# Altium PCB ComplexCurcuit.PcbDoc (part 2 of 2)
Units mm, origin at the board's own origin, x right, y up, seen from the top; angles counter-clockwise.
Board outline 109 x 101.5 mm, 4 copper layers (Top Layer, GND, POWER, Bottom Layer), stack 1.369 mm thick; 127 components, 88 nets, 439 pads, 188 vias.
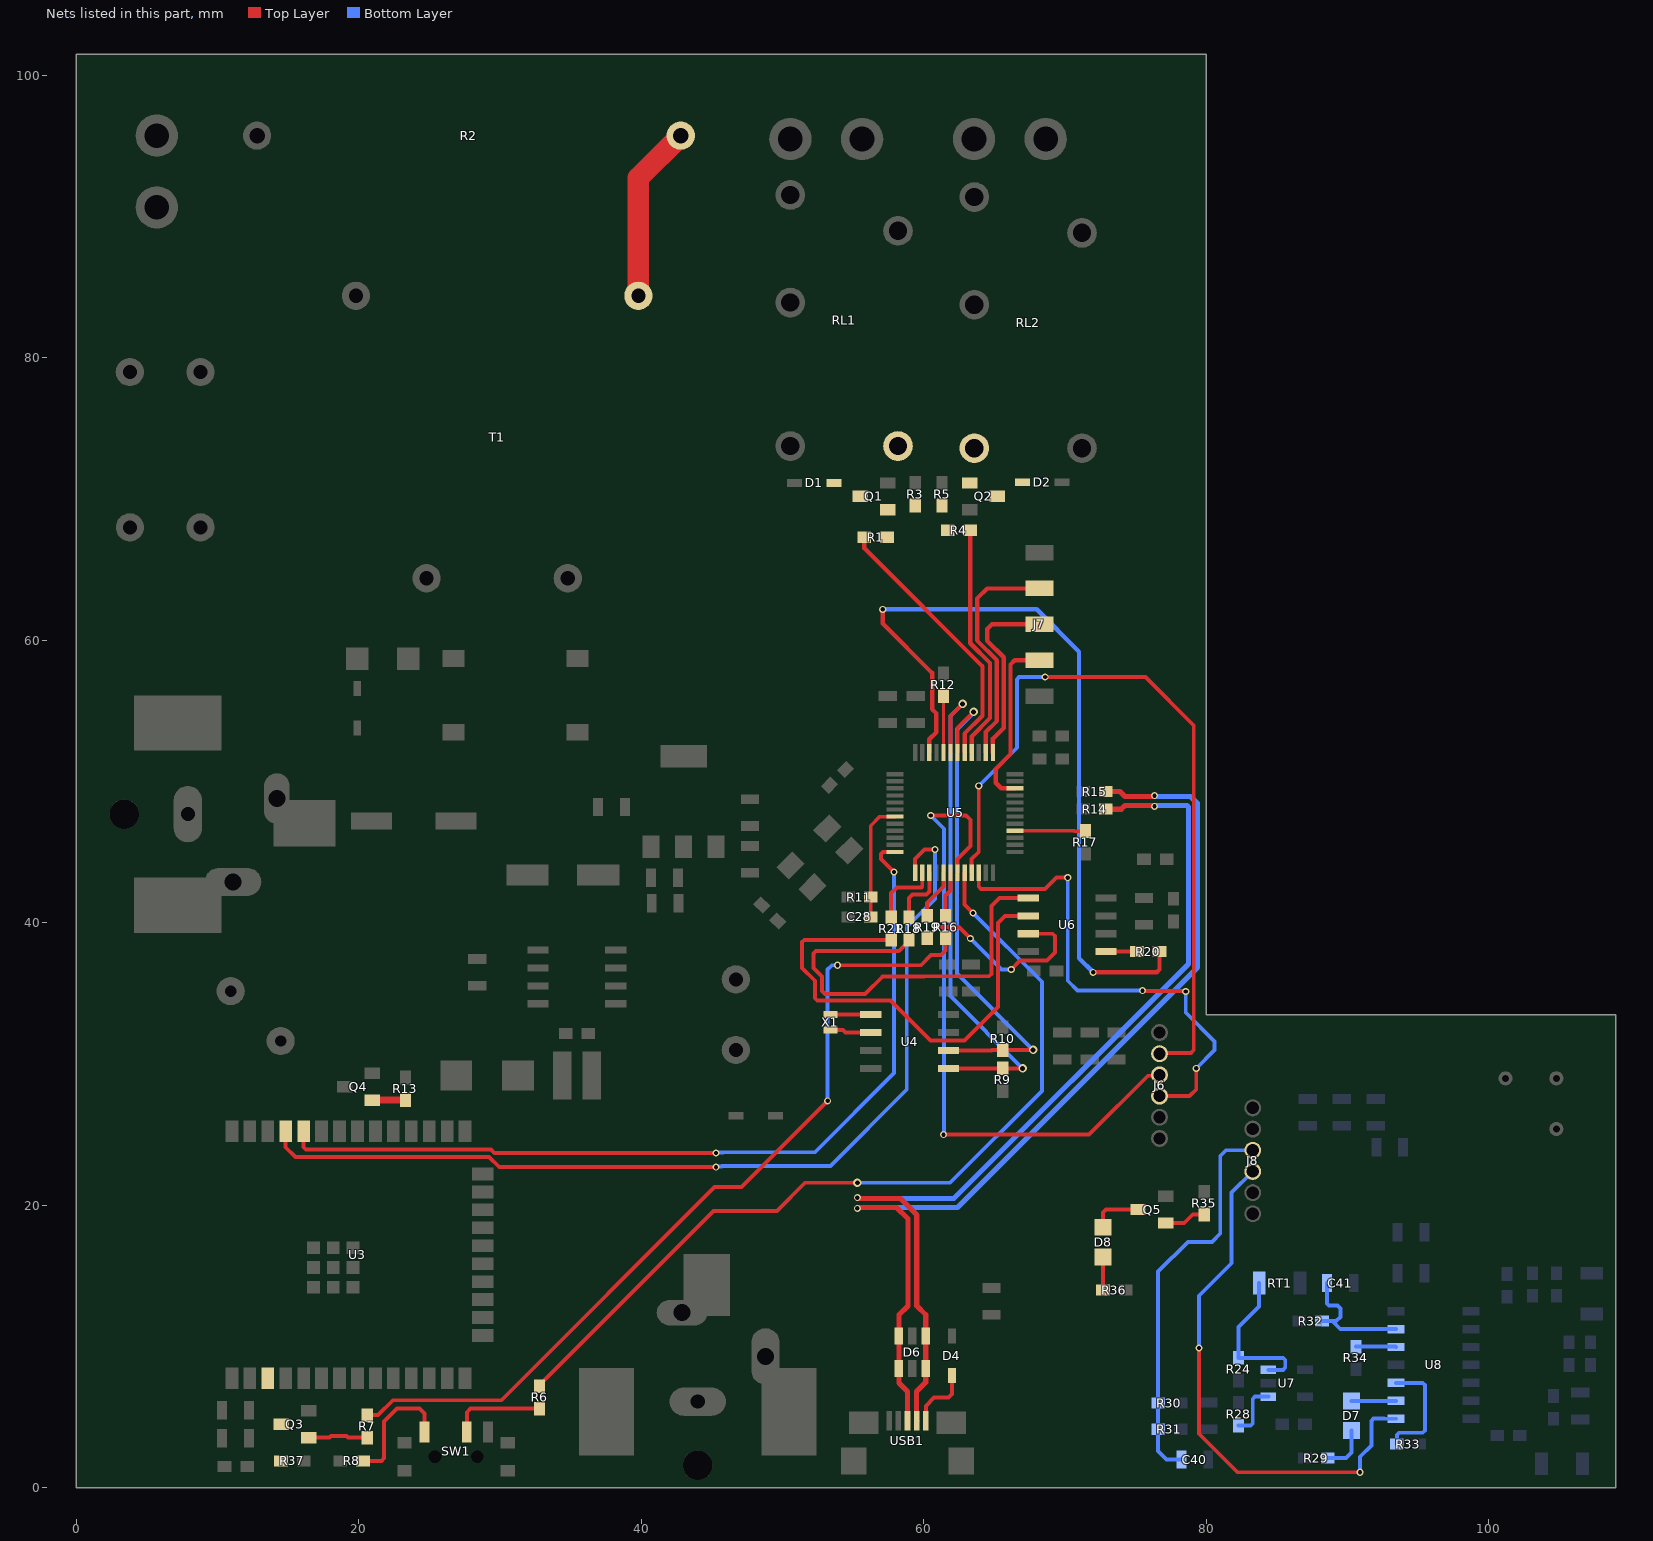
[diagram p4: the nets of this part, all layers, seen from the top]

## Via types
v1: diameter 0.6, hole 0.35, Top Layer to Bottom Layer, tented top, 92 vias
v2: diameter 0.5, hole 0.3, Top Layer to Bottom Layer, tented top, 39 vias
v3: diameter 0.5, hole 0.3, POWER to Bottom Layer, tented top, 28 vias
v4: diameter 0.5, hole 0.3, Top Layer to POWER, tented top, 28 vias
v5: diameter 0.5, hole 0.3, Top Layer to Bottom Layer, tented both sides, 1 vias

## Nets (pads, with @x,y where several pads share a name; then routed paths per layer and width w, separated by ;. In a path a pad name is that pad's centre, name@x,y a point inside that pad or via, vN(x,y) a via of type N, cw(c..) or ccw(c..) an arc to the next point about the centre after c; other vN are vias at no path point) (continued)
NetC41_1: C41.1 R32.2 U8.13 | length 9.3
  Bottom Layer w0.279: R32.2@88.2,11.8 88.937,11.8 ; C41.1@88.55,14.5 88.55,13.064 88.714,12.9 89.3,12.9 89.5,12.7 89.5,12.1 89.2,11.8 88.937,11.8 ; U8.13@93.45,11.24 89.497,11.24 88.937,11.8
NetD1_A: D1.A Q1.3 RL1.4
NetD2_A: D2.A Q2.3 RL2.5
NetD4_A: D4.A USB1.1 | length 4.6
  Top Layer w0.279: USB1.1@60.15,4.75 60.15,5.806 60.744,6.4 61.75,6.4 62,6.65 D4.A@62,7.95
NetD7_1: D7.1 R29.2 | length 3.4
  Bottom Layer w0.279: R29.2@88.6,2.1 89.9,2.1 90.3,2.5 D7.1@90.3,4.05
NetD7_2: D7.2 U8.9 | length 3.2
  Bottom Layer w0.279: D7.2@90.3,6.15 92.586,6.15 92.596,6.16 U8.9@93.45,6.16
NetD8_1: D8.1 R36.1 | length 2.4
  Top Layer w0.279: R36.1@72.7,14 D8.1@72.7,16.35
NetD8_2: D8.2 Q5.3 | length 3.6
  Top Layer w0.279: D8.2@72.7,18.45 72.7,19.5 72.9,19.7 Q5.3@75.2,19.7
NetJ6_2: J6.2 U5.21 | length 54.5
  Top Layer w0.279: U5.21@63.4,43.55 63.4,44.531 63.9,45.031 v2(63.9,49.7) ; v2@68.618,57.4 75.7,57.4 79.121,53.979 79.121,30.985 78.936,30.8 76.765,30.8 J6.2@76.7,30.735
  Bottom Layer w0.279: v2(63.9,49.7) 66.6,52.4 66.6,57.236 66.764,57.4 v2(68.6,57.4)
NetJ6_3: J6.3 U5.19 | length 47.1
  Top Layer w0.279: v2(60.5,47.6) 63,47.6 63.3,47.3 63.3,45.431 62.4,44.531 U5.19@62.4,43.55 ; v2(61.4,25) 71.7,25 75.876,29.176 76.641,29.176 J6.3@76.7,29.235
  Bottom Layer w0.279: v2(60.5,47.6) 61.436,46.664 61.436,25.036 v2(61.4,25)
NetJ6_4: J6.4 U5.22 | length 34.8
  Top Layer w0.279: U5.22@63.9,43.55 63.9,42.569 64.069,42.4 68.6,42.4 69.4,43.2 v2(70.2,43.2) ; v2(75.5,35.2) 75.527,35.173 78.527,35.173 v2(78.554,35.146) ; J6.4@76.7,27.735 78.835,27.735 79.3,28.2 v2(79.3,29.7)
  Bottom Layer w0.279: v2(70.2,43.2) 70.2,35.9 70.9,35.2 v2(75.5,35.2) ; v2(78.554,35.146) 78.554,33.646 80.6,31.6 80.6,31 v2(79.3,29.7)
NetJ7_2: J7.2 U5.38 | length 16.5
  Top Layer w0.305: U5.38@64.4,52.05 64.4,53.518 65.183,54.3 65.183,58.6 63.783,60 63.783,62.961 64.501,63.68 J7.2@68.2,63.68
NetJ7_3: J7.3 U5.37 | length 13.4
  Top Layer w0.305: U5.37@64.9,52.05 64.9,53.031 65.665,53.796 65.665,58.8 64.5,59.965 64.5,60.8 64.84,61.14 J7.3@68.2,61.14
NetJ7_4: J7.4 U5.34 | length 12.5
  Top Layer w0.305: U5.34@66.478,49.525 65.497,49.525 65.1,49.922 65.1,50.9 66.148,51.948 66.148,58.3 66.448,58.6 J7.4@68.2,58.6
NetJ8_4: J8.4 U8.8 | length 38.5
  Top Layer w0.279: v2(79.5,9.9) 79.5,3.827 82.227,1.1 v2(90.9,1.1)
  Bottom Layer w0.279: v2(79.5,9.9) 79.5,13.6 81.8,15.9 81.8,20.9 J8.4@83.3,22.4 ; v2(90.9,1.1) 90.9,2.2 91.7,3 91.7,4.736 91.864,4.9 92.586,4.9 92.596,4.89 U8.8@93.45,4.89
NetQ1_1: Q1.1 R1.2 R3.2
NetQ2_1: Q2.1 R4.2 R5.2
NetQ3_1: Q3.1 R7.2 | length 4.2
  Top Layer w0.279: Q3.1@16.45,3.55 17.918,3.55 18.035,3.667 19.132,3.667 19.249,3.55 R7.2@20.6,3.55
NetQ4_1: Q4.1 R13.2 | length 2.3
  Top Layer w0.508: Q4.1@20.95,27.45 22.525,27.45 R13.2@23.3,27.45
NetQ5_1: Q5.1 R35.2 | length 3
  Top Layer w0.279: Q5.1@77.15,18.75 78.45,18.75 79.05,19.35 R35.2@79.861,19.35
NetR1_1: R1.1 U5.41 | length 19.2
  Top Layer w0.305: R1.1@55.8,67.3 55.8,66.525 64.165,58.16 64.165,54.665 62.9,53.4 U5.41@62.9,52.05
NetR2_2: R2.2 T1.1 | length 12.6
  Top Layer w1.524: T1.1@39.8,84.4 39.8,92.74 R2.2@42.8,95.74
NetR4_1: R4.1 U5.40 | length 16.9
  Top Layer w0.305: R4.1@63.3,67.8 63.3,59.8 64.7,58.4 64.7,54.5 63.4,53.2 U5.40@63.4,52.05
NetR6_2: R6.2 SW1.2 | length 6.7
  Top Layer w0.279: SW1.2@27.65,3.95 27.65,5.35 27.9,5.6 R6.2@32.8,5.6
NetR8_1: R8.1 SW1.1 | length 8.9
  Top Layer w0.279: R8.1@20.3,1.9 21.6,1.9 21.8,2.1 21.8,4.7 22.7,5.6 24.3,5.6 24.65,5.25 SW1.1@24.65,3.95
NetR12_2: R12.2 U5.44 | length 4
  Top Layer w0.203: U5.44@61.4,52.05 61.4,55.196 R12.2@61.4,56.06
NetR16_1: R16.1 U5.18 | length 3.2
  Top Layer w0.279: R16.1@61.55,40.5 61.55,41.95 61.9,42.3 U5.18@61.9,43.55
NetR17_1: R17.1 U5.28 | length 5
  Top Layer w0.254: U5.28@66.478,46.525 70.65,46.525 70.675,46.5 R17.1@71.45,46.5
NetR18_1: R18.1 U6.1 | length 30.5
  Top Layer w0.279: R18.1@58.95,38.8 58.95,38.711 58.287,38.048 58.273,38.048 58.225,38 52.364,38 52.2,37.836 52.2,36.8 52.8,36.2 52.8,35.164 53.006,34.957 55.857,34.957 57.1,36.2 60.029,36.2 60.047,36.218 64.636,36.218 64.8,36.382 64.8,41.2 65.37,41.77 U6.1@67.4,41.77
NetR19_1: R19.1 U6.3 | length 14.3
  Top Layer w0.279: R19.1@60.25,38.9 60.25,38.989 60.961,39.7 62.5,39.7 v4(63.3,38.9) ; v3(66.2,36.7) 66.821,37.321 68.721,37.321 69.3,37.9 69.3,39.066 69.136,39.23 U6.3@67.4,39.23
  Bottom Layer w0.279: v4(63.3,38.9) 65.5,36.7 v3(66.2,36.7)
  other v3: 63.3,38.9
  other v4: 66.2,36.7
NetR20_1: R20.1 U6.5 | length 2.2
  Top Layer w0.279: U6.5@72.9,37.96 74.031,37.96 R20.1@75.1,37.96
NetR21_1: R21.1 U6.2 | length 34.2
  Top Layer w0.279: R21.1@57.7,38.8 51.564,38.8 51.4,38.636 51.4,36.8 52.3,35.9 52.3,34.664 52.464,34.5 57.65,34.5 60.482,31.668 62.888,31.668 65.257,34.036 65.257,40 65.757,40.5 U6.2@67.4,40.5
NetR24_2: R24.2 RT1.1 U7.3 | length 11.1
  Bottom Layer w0.279: RT1.1@83.75,14.5 83.75,12.85 82.3,11.4 R24.2@82.3,9.2 82.948,9.2 85.436,9.2 85.6,9.036 85.6,8.513 85.436,8.349 85.205,8.349 ; U7.3@84.4,8.35 85.204,8.35
NetR28_1: R28.1 U7.1 | length 4
  Bottom Layer w0.279: R28.1@82.3,4.4 83.136,4.4 83.3,4.563 83.3,6.286 83.464,6.45 U7.1@84.4,6.45
NetR33_2: R33.2 U8.10 | length 8.1
  Bottom Layer w0.279: U8.10@93.45,7.43 95.336,7.43 95.5,7.266 95.5,4.064 95.336,3.9 93.664,3.9 93.5,3.736 R33.2@93.5,3.1
NetR34_2: R34.2 U8.12 | length 2.9
  Bottom Layer w0.279: R34.2@90.6,10 93.42,10 U8.12@93.45,9.97
NetU4_1: U4.1 X1.1 | length 2.9
  Top Layer w0.279: X1.1@53.4,33.505 55.119,33.505 U4.1@56.25,33.505
NetU4_2: U4.2 X1.2 | length 2.9
  Top Layer w0.279: X1.2@53.4,32.405 54.281,32.405 54.451,32.235 U4.2@56.25,32.235
NRST: C28.2 R11.2 U5.7 | length 8.5
  Top Layer w0.254: C28.2@56.25,40.42 R11.2@56.25,41.82 56.25,46.879 56.896,47.525 U5.7@57.978,47.525
RTC_SCL: R10.1 U4.6 U5.42 | length 36
  Top Layer w0.279: U4.6@61.75,30.965 64.79,30.965 64.825,31 R10.1@65.6,31 v1(67.75,31) ; U5.42@62.4,52.05 62.4,53.8 v1(63.535,54.935)
  Bottom Layer w0.279: v1@63.56,54.91 62.35,53.7 62.35,36.4 v1(67.75,31)
RTC_SDA: R9.1 U4.5 U5.43 | length 37.3
  Top Layer w0.279: U4.5@61.75,29.695 64.82,29.695 64.825,29.7 R9.1@65.6,29.7 v1(67,29.7) ; U5.43@61.9,52.05 61.9,54.65 v1(62.75,55.5)
  Bottom Layer w0.279: v1(62.75,55.5) 61.893,54.643 61.893,34.807 v1(67,29.7)
SENSOR_ON_OFF: R6.1 U5.20 | length 62
  Top Layer w0.279: R6.1@32.8,7.2 32.8,7.289 45.111,19.6 49.6,19.6 51.6,21.6 v1(55.3,21.6) ; U5.20@62.9,43.55 62.9,41.5 62.9,41.3 v2(63.5,40.7)
  Bottom Layer w0.279: v1(55.3,21.6) 61.873,21.6 68.367,28.094 68.367,35.833 v2(63.5,40.7)
TEMP_ADC: C40.2 J8.3 R30.1 R31.1 | length 28.1
  Bottom Layer w0.279: C40.2@78.25,2 77.2,2 76.6,2.6 R31.1@76.6,4.15 R30.1@76.6,6 76.6,15.3 78.7,17.4 80.4,17.4 81,18 81,23.5 81.4,23.9 J8.3@83.3,23.9
TEMP_IN_CS: R21.2 U5.14 | length 5.1
  Top Layer w0.279: R21.2@57.7,40.4 57.7,42.1 58.1,42.5 59.831,42.5 59.9,42.569 U5.14@59.9,43.55
TEMP_IN_OT: R20.2 U5.46 | length 56.2
  Top Layer w0.305: v2(57.1,62.2) 57.1,61.2 60.6,57.7 60.6,55.124 60.9,54.824 60.9,53.496 60.4,52.996 U5.46@60.4,52.05 ; v2(72,36.5) 76.5,36.5 76.7,36.7 R20.2@76.7,37.96
  Bottom Layer w0.305: v2(57.1,62.2) 68,62.2 71,59.2 71,37.5 v2(72,36.5)
TEMP_IN_SCLK: R18.2 U5.15 | length 4.3
  Top Layer w0.279: R18.2@58.95,40.4 58.95,41.75 59.2,42 60.184,42 60.4,42.216 60.4,42.569 U5.15@60.4,43.55
TEMP_IN_SIO: R19.2 U5.17 | length 3.5
  Top Layer w0.279: R19.2@60.25,40.5 60.25,41.419 61.4,42.569 U5.17@61.4,43.55
USB_N: D6.1 D6.6 R14.1 USB1.2 | length 67.3
  Top Layer w0.374: v2(55.3,20.541) 55.363,20.478 58.346,20.478 59.514,19.31 59.514,12.886 60.15,12.25 D6.1@60.15,10.75 D6.6@60.15,8.45 60.139,8.439 60.139,7.469 59.489,6.82 59.489,4.761 USB1.2@59.5,4.75 ; R14.1@72.9,48.05 73.987,48.05 74.25,48.313 76.253,48.313 76.316,48.25 v2(76.35,48.25)
  Bottom Layer w0.374: v2(55.3,20.541) 55.334,20.541 55.397,20.478 62.128,20.478 78.75,37.1 78.75,44.25 78.75,46.5 78.75,48.2 78.637,48.313 76.447,48.313 76.384,48.25 v2(76.35,48.25)
USB_P: D6.3 D6.4 R15.1 USB1.3 | length 68.4
  Top Layer w0.374: v2(55.3,19.787) 55.337,19.787 55.4,19.85 58.086,19.85 58.886,19.05 58.886,12.886 58.25,12.25 D6.3@58.25,10.75 58.25,7.43 58.861,6.82 58.861,4.761 USB1.3@58.85,4.75 ; R15.1@72.9,49.3 73.891,49.3 74.25,48.941 76.253,48.941 76.316,49.004 v2(76.35,49.004)
  Bottom Layer w0.374: v2(55.3,19.787) 55.334,19.787 55.397,19.85 62.388,19.85 79.378,36.84 79.378,48.46 78.897,48.941 76.447,48.941 76.384,49.004 v2(76.35,49.004)
Wİ-Fİ_EN: R7.1 R16.2 | length 60.9
  Top Layer w0.279: R7.1@20.6,5.15 21.375,5.15 22.424,6.2 30.1,6.2 45.2,21.3 47.1,21.3 v2(53.2,27.4) ; v2(53.9,37) 59.8,37 60.518,37.718 61.231,37.718 61.55,38.036 R16.2@61.55,38.9
  Bottom Layer w0.279: v2(53.2,27.4) 53.2,36.7 53.5,37 v2(53.9,37)
Wİ-Fİ_OUT: Q3.3 R37.2 U3.3
Wİ-Fİ_RXD: U3.34 U5.12 | length 62.4
  Top Layer w0.279: U3.34@16.099,25.242 16.099,24.111 16.271,23.94 29.354,23.94 29.594,23.7 v2(45.3,23.7) ; v2(57.9,43.6) 56.969,44.531 56.969,44.861 57.132,45.025 U5.12@57.978,45.025
  Bottom Layer w0.279: v2(45.3,23.7) 45.342,23.742 45.785,23.742 45.8,23.757 52.3,23.757 57.9,29.357 v2(57.9,43.6)
Wİ-Fİ_TXD: U3.35 U5.13 | length 68.5
  Top Layer w0.279: U3.35@14.829,25.242 14.829,24.111 15.514,23.427 29.221,23.427 29.948,22.7 v2(45.3,22.7) ; U5.13@59.4,43.55 59.4,44.531 60.069,45.2 v2(60.8,45.2)
  Bottom Layer w0.279: v2(45.3,22.7) 45.342,22.742 45.672,22.742 45.729,22.8 53.4,22.8 58.8,28.2 58.8,39.7 60.8,41.7 v2(60.8,45.2)
pads on no net: J4. J5. J6.5 J8.5 RL1.1 RL2.1 SW1. SW1.0 SW1.3 U1.2 U1.3 U1.5 U3.4 U3.5 U3.6 U3.7 U3.8 U3.9 U3.10 U3.11 U3.12 U3.13 U3.14 U3.16 U3.17 U3.18 U3.19 U3.20 U3.21 U3.22 U3.23 U3.24 U3.25 U3.26 U3.27 U3.28 U3.29 U3.30 U3.31 U3.32 U3.33 U3.36 U3.37 U4.7 U5.1 U5.2 U5.3 U5.4 U5.10 U5.11 U5.16 U5.25 U5.26 U5.27 U5.29 U5.30 U5.31 U5.39 U5.45 U6.6 U6.7 U7.4 U8.11 USB1. USB1.4
copper on no net: | length 14059.3
  Bottom Layer w0.025: 97.478,118.938 184.7,206.16 ; 97.478,120.462 184.7,207.684 ; 97.478,121.986 184.7,209.208 ; 97.478,123.51 184.7,210.732 ; 97.478,125.034 184.7,212.256 ; 97.478,126.558 184.7,213.78 ; 97.478,128.082 184.7,215.304 ; 97.478,129.606 184.7,216.828 ; 97.478,131.13 184.7,218.352 ; 97.478,132.654 184.7,219.876 ; 97.478,134.178 184.7,221.4 ; 97.478,135.702 184.7,222.924 ; 97.478,137.226 184.7,224.448 ; 97.478,138.75 184.7,225.972 ; 97.478,140.274 184.7,227.496 ; 97.478,141.798 184.7,229.02 ; 97.478,143.322 183.739,229.583 ; 97.478,144.846 182.215,229.583 ; 97.478,146.37 180.691,229.583 ; 97.478,147.894 179.167,229.583 ; 97.478,149.418 177.643,229.583 ; 97.478,150.942 176.119,229.583 ; 97.478,152.466 174.595,229.583 ; 97.478,153.99 173.071,229.583 ; 97.478,155.514 171.547,229.583 ; 97.478,157.038 170.023,229.583 ; 97.478,158.562 168.499,229.583 ; 97.478,160.086 166.975,229.583 ; 97.478,161.61 165.451,229.583 ; 97.478,163.134 163.927,229.583 ; 97.478,164.658 162.403,229.583 ; 97.478,166.182 160.879,229.583 ; 97.478,167.706 159.355,229.583 ; 97.478,169.23 157.831,229.583 ; 97.478,170.754 156.307,229.583 ; 97.478,172.278 154.783,229.583 ; 97.478,173.802 153.259,229.583 ; 97.478,175.326 151.735,229.583 ; 97.478,176.85 150.211,229.583 ; 97.478,178.374 148.687,229.583 ; 97.478,179.898 147.163,229.583 ; 97.478,181.422 145.639,229.583 ; 97.478,182.946 144.115,229.583 ; 97.478,184.47 142.591,229.583 ; 97.478,185.994 141.067,229.583 ; 97.478,187.518 139.543,229.583 ; 97.478,189.042 138.019,229.583 ; 97.478,190.566 136.495,229.583 ; 97.478,192.09 134.971,229.583 ; 97.478,193.614 133.447,229.583 ; 97.478,195.138 131.923,229.583 ; 97.478,196.662 130.399,229.583 ; 97.478,198.186 128.875,229.583 ; 97.478,199.71 127.351,229.583 ; 97.478,201.234 125.827,229.583 ; 97.478,202.758 124.303,229.583 ; 97.478,204.282 122.779,229.583 ; 97.478,205.806 121.255,229.583 ; 97.478,207.33 119.731,229.583 ; 97.478,208.854 118.207,229.583 ; 97.478,210.378 116.683,229.583 ; 97.478,211.902 115.159,229.583 ; 97.478,213.426 113.635,229.583 ; 97.478,214.95 112.111,229.583 ; 97.478,216.474 110.587,229.583 ; 97.478,217.998 109.063,229.583 ; 97.478,219.522 107.539,229.583 ; 97.478,221.046 106.015,229.583 ; 97.478,222.57 104.491,229.583 ; 97.478,224.094 102.967,229.583 ; 97.478,225.618 101.443,229.583 ; 97.478,227.142 99.919,229.583 ; 97.478,228.666 98.395,229.583 ; 98.956,118.892 184.7,204.636 ; 100.48,118.892 184.7,203.112 ; 102.004,118.892 184.7,201.588 ; 103.528,118.892 184.7,200.064 ; 105.052,118.892 184.7,198.54 ; 106.576,118.892 184.7,197.016 ; 108.1,118.892 184.7,195.492 ; 109.624,118.892 184.7,193.968 ; 111.148,118.892 184.7,192.444 ; 112.672,118.892 184.7,190.92 ; 114.196,118.892 184.7,189.396 ; 115.72,118.892 184.7,187.872 ; 117.244,118.892 184.7,186.348 ; 118.768,118.892 184.7,184.824 ; 120.292,118.892 184.7,183.3 ; 121.816,118.892 184.7,181.776 ; 123.34,118.892 184.7,180.252 ; 124.864,118.892 184.7,178.728 ; 126.388,118.892 184.7,177.204 ; 127.912,118.892 184.7,175.68 ; 129.436,118.892 184.7,174.156 ; 130.96,118.892 184.7,172.632 ; 132.484,118.892 184.7,171.108 ; 134.008,118.892 184.7,169.584 ; 135.532,118.892 184.7,168.06 ; 137.056,118.892 184.7,166.536 ; 138.58,118.892 184.7,165.012 ; 140.104,118.892 184.7,163.488 ; 141.628,118.892 184.7,161.964 ; 143.152,118.892 184.7,160.44 ; 144.676,118.892 184.7,158.916 ; 146.2,118.892 184.7,157.392 ; 147.724,118.892 184.7,155.868 ; 149.248,118.892 185.806,155.45 ; 150.772,118.892 187.33,155.45 ; 152.296,118.892 188.854,155.45 ; 153.82,118.892 190.378,155.45 ; 155.344,118.892 191.902,155.45 ; 156.868,118.892 193.426,155.45 ; 158.392,118.892 194.95,155.45 ; 159.916,118.892 196.474,155.45 ; 161.44,118.892 197.998,155.45 ; 162.964,118.892 199.522,155.45 ; 164.488,118.892 201.046,155.45 ; 166.012,118.892 202.57,155.45 ; 167.536,118.892 204.094,155.45 ; 169.06,118.892 205.618,155.45 ; 170.584,118.892 207.142,155.45 ; 172.108,118.892 208.666,155.45 ; 173.632,118.892 210.19,155.45 ; 175.156,118.892 211.714,155.45 ; 176.68,118.892 213.238,155.45 ; 178.204,118.892 214.762,155.45 ; 179.728,118.892 216.286,155.45 ; 181.252,118.892 216.318,153.958 ; 182.776,118.892 216.318,152.434 ; 184.3,118.892 216.318,150.91 ; 185.824,118.892 216.318,149.386 ; 187.348,118.892 216.318,147.862 ; 187.878,230.848 190.41,233.379 193.458,236.427 196.506,239.475 199.554,242.523 202.602,245.571 205.65,248.619 208.698,251.667 211.746,254.715 214.794,257.763 216.318,259.287 ; 187.878,232.372 188.886,233.379 191.934,236.427 194.982,239.475 198.03,242.523 201.078,245.571 204.126,248.619 207.174,251.667 210.222,254.715 213.27,257.763 216.318,260.811 ; 187.878,233.896 190.41,236.427 193.458,239.475 196.506,242.523 199.554,245.571 202.602,248.619 205.65,251.667 208.698,254.715 211.746,257.763 214.794,260.811 216.318,262.335 ; 187.878,235.42 188.886,236.427 191.934,239.475 194.982,242.523 198.03,245.571 201.078,248.619 204.126,251.667 207.174,254.715 210.222,257.763 213.27,260.811 216.318,263.859 ; 187.878,236.944 190.41,239.475 193.458,242.523 196.506,245.571 199.554,248.619 202.602,251.667 205.65,254.715 208.698,257.763 211.746,260.811 214.794,263.859 216.318,265.383 ; 187.878,238.468 188.886,239.475 191.934,242.523 194.982,245.571 198.03,248.619 201.078,251.667 204.126,254.715 207.174,257.763 210.222,260.811 213.27,263.859 216.318,266.907 ; 187.878,239.992 190.41,242.523 193.458,245.571 196.506,248.619 199.554,251.667 202.602,254.715 205.65,257.763 208.698,260.811 211.746,263.859 214.794,266.907 216.318,268.431 ; 187.878,241.516 188.886,242.523 191.934,245.571 194.982,248.619 198.03,251.667 201.078,254.715 204.126,257.763 207.174,260.811 210.222,263.859 213.27,266.907 216.318,269.955 ; 187.878,243.04 190.41,245.571 193.458,248.619 196.506,251.667 199.554,254.715 202.602,257.763 205.65,260.811 208.698,263.859 211.746,266.907 214.794,269.955 216.318,271.479 ; 187.878,244.564 188.886,245.571 191.934,248.619 194.982,251.667 198.03,254.715 201.078,257.763 204.126,260.811 207.174,263.859 210.222,266.907 213.27,269.955 216.318,273.003 ; 187.878,246.088 190.41,248.619 193.458,251.667 196.506,254.715 199.554,257.763 202.602,260.811 205.65,263.859 208.698,266.907 211.746,269.955 214.794,273.003 216.318,274.527 ; 187.878,247.612 188.886,248.619 191.934,251.667 194.982,254.715 198.03,257.763 201.078,260.811 204.126,263.859 207.174,266.907 210.222,269.955 213.27,273.003 216.318,276.051 ; 187.878,249.136 190.41,251.667 193.458,254.715 196.506,257.763 199.554,260.811 202.602,263.859 205.65,266.907 208.698,269.955 211.746,273.003 214.794,276.051 ; 187.878,250.66 188.886,251.667 191.934,254.715 194.982,257.763 198.03,260.811 201.078,263.859 204.126,266.907 207.174,269.955 210.222,273.003 213.27,276.051 ; 187.878,252.184 190.41,254.715 193.458,257.763 196.506,260.811 199.554,263.859 202.602,266.907 205.65,269.955 208.698,273.003 211.746,276.051 ; 187.878,253.708 188.886,254.715 191.934,257.763 194.982,260.811 198.03,263.859 201.078,266.907 204.126,269.955 207.174,273.003 210.222,276.051 ; 187.878,255.232 190.41,257.763 193.458,260.811 196.506,263.859 199.554,266.907 202.602,269.955 205.65,273.003 208.698,276.051 ; 187.878,256.756 188.886,257.763 191.934,260.811 194.982,263.859 198.03,266.907 201.078,269.955 204.126,273.003 207.174,276.051 ; 187.878,258.28 190.41,260.811 193.458,263.859 196.506,266.907 199.554,269.955 202.602,273.003 205.65,276.051 ; 187.878,259.804 188.886,260.811 191.934,263.859 194.982,266.907 198.03,269.955 201.078,273.003 204.126,276.051 ; 187.878,261.328 190.41,263.859 193.458,266.907 196.506,269.955 199.554,273.003 202.602,276.051 ; 187.878,262.852 188.886,263.859 191.934,266.907 194.982,269.955 198.03,273.003 201.078,276.051 ; 187.878,264.376 190.41,266.907 193.458,269.955 196.506,273.003 199.554,276.051 ; 187.878,265.9 188.886,266.907 191.934,269.955 194.982,273.003 198.03,276.051 ; 187.878,267.424 190.41,269.955 193.458,273.003 196.506,276.051 ; 187.878,268.948 188.886,269.955 191.934,273.003 194.982,276.051 ; 187.878,270.472 190.41,273.003 193.458,276.051 ; 187.878,271.996 188.886,273.003 191.934,276.051 ; 187.878,273.52 190.41,276.051 ; 187.878,275.044 188.886,276.051 ; 188.872,118.892 216.318,146.338 ; 188.886,230.331 191.934,233.379 194.982,236.427 198.03,239.475 201.078,242.523 204.126,245.571 207.174,248.619 210.222,251.667 213.27,254.715 216.318,257.763 ; 190.396,118.892 216.318,144.814 ; 190.41,230.331 193.458,233.379 196.506,236.427 199.554,239.475 202.602,242.523 205.65,245.571 208.698,248.619 211.746,251.667 214.794,254.715 216.318,256.239 ; 191.92,118.892 216.318,143.29 ; 191.934,230.331 194.982,233.379 198.03,236.427 201.078,239.475 204.126,242.523 207.174,245.571 210.222,248.619 213.27,251.667 216.318,254.715 ; 193.444,118.892 216.318,141.766 ; 193.458,230.331 196.506,233.379 199.554,236.427 202.602,239.475 205.65,242.523 208.698,245.571 211.746,248.619 214.794,251.667 216.318,253.191 ; 194.968,118.892 216.318,140.242 ; 194.982,230.331 198.03,233.379 201.078,236.427 204.126,239.475 207.174,242.523 210.222,245.571 213.27,248.619 216.318,251.667 ; 196.492,118.892 216.318,138.718 ; 196.506,230.331 199.554,233.379 202.602,236.427 205.65,239.475 208.698,242.523 211.746,245.571 214.794,248.619 216.318,250.143 ; 198.016,118.892 216.318,137.194 ; 198.03,230.331 201.078,233.379 204.126,236.427 207.174,239.475 210.222,242.523 213.27,245.571 216.318,248.619 ; 199.54,118.892 216.318,135.67 ; 199.554,230.331 202.602,233.379 205.65,236.427 208.698,239.475 211.746,242.523 214.794,245.571 216.318,247.095 ; 201.064,118.892 216.318,134.146 ; 201.078,230.331 204.126,233.379 207.174,236.427 210.222,239.475 213.27,242.523 216.318,245.571 ; 202.588,118.892 216.318,132.622 ; 202.602,230.331 205.65,233.379 208.698,236.427 211.746,239.475 214.794,242.523 216.318,244.047 ; 204.112,118.892 216.318,131.098 ; 204.126,230.331 207.174,233.379 210.222,236.427 213.27,239.475 216.318,242.523 ; 205.636,118.892 216.318,129.574 ; 205.65,230.331 208.698,233.379 211.746,236.427 214.794,239.475 216.318,240.999 ; 207.16,118.892 216.318,128.05 ; 207.174,230.331 210.222,233.379 213.27,236.427 216.318,239.475 ; 208.684,118.892 216.318,126.526 ; 208.698,230.331 211.746,233.379 214.794,236.427 216.318,237.951 ; 210.208,118.892 216.318,125.002 ; 210.222,230.331 213.27,233.379 216.318,236.427 ; 211.732,118.892 216.318,123.478 ; 211.746,230.331 214.794,233.379 216.318,234.903 ; 213.256,118.892 216.318,121.954 ; 213.27,230.331 216.318,233.379 ; 214.78,118.892 216.318,120.43 ; 214.794,230.331 216.318,231.855
  Bottom Layer w0.381: 97.478,233.379 107.889,233.379 141.662,233.379 156.898,233.379 173.404,233.379 187.878,233.379 216.318,233.379 ; 97.478,236.427 107.889,236.427 141.662,236.427 156.898,236.427 173.404,236.427 187.878,236.427 216.318,236.427 ; 97.478,239.475 107.889,239.475 141.662,239.475 156.898,239.475 173.404,239.475 187.878,239.475 216.318,239.475 ; 97.478,242.523 107.889,242.523 141.662,242.523 156.898,242.523 173.404,242.523 187.878,242.523 216.318,242.523 ; 97.478,245.571 107.889,245.571 141.662,245.571 156.898,245.571 173.404,245.571 187.878,245.571 216.318,245.571 ; 97.478,248.619 107.889,248.619 141.662,248.619 156.898,248.619 173.404,248.619 187.878,248.619 216.318,248.619 ; 97.478,251.667 107.889,251.667 141.662,251.667 156.898,251.667 173.404,251.667 187.878,251.667 216.318,251.667 ; 97.478,254.715 107.889,254.715 141.662,254.715 156.898,254.715 173.404,254.715 187.878,254.715 216.318,254.715 ; 97.478,257.763 107.889,257.763 141.662,257.763 156.898,257.763 173.404,257.763 187.878,257.763 216.318,257.763 ; 97.478,260.811 107.889,260.811 141.662,260.811 156.898,260.811 173.404,260.811 187.878,260.811 216.318,260.811 ; 97.478,263.859 107.889,263.859 141.662,263.859 156.898,263.859 173.404,263.859 187.878,263.859 216.318,263.859 ; 97.478,266.907 107.889,266.907 141.662,266.907 156.898,266.907 173.404,266.907 187.878,266.907 216.318,266.907 ; 97.478,269.955 107.889,269.955 141.662,269.955 156.898,269.955 173.404,269.955 187.878,269.955 216.318,269.955 ; 97.478,273.003 107.889,273.003 141.662,273.003 156.898,273.003 173.404,273.003 187.878,273.003 216.318,273.003 ; 97.478,276.051 216.318,276.051 ; 107.889,279.099 107.889,230.331 ; 141.662,279.099 141.662,230.331 ; 156.898,279.099 156.898,230.331 ; 173.404,279.099 173.404,230.331 ; 187.878,279.099 187.878,230.331 ; 107.889,230.331 141.662,230.331 ; 107.889,230.331 97.478,230.331 97.478,279.099 216.318,279.099 216.318,230.331 187.878,230.331 ; 141.662,230.331 156.898,230.331 ; 156.898,230.331 173.404,230.331 ; 173.404,230.331 187.878,230.331 ; 97.478,118.906 216.318,118.906 216.318,155.43 184.7,155.43 184.7,229.569 97.478,229.569 97.478,118.906

## Polygon pours and split planes (outlines as drawn)
GND on Top Layer "GND_L01_P026" (solid, remove dead copper, pour order 26): 5.297,82 2.5,82 1,80.5 1,33.6 3.7,33.6 10.8,26.5 30.5,26.5 34.1,22.9 34.1,1.9 35.2,0.8 64.6,0.8 66.8,3 66.8,14.4 75.4,23 77.531,23 78.006,23.353 78.5,25 78.5,26.4 78.5,54.059 72.925,58.634 53.736,58.571 52.468,59.819 52.409,64.501 50.385,66.5 48.9,66.5 47.7,65.3 47.7,60 43.7,56 14,56 12.9,57.1 6.8,57.1 6,57.9 6,81.3 5.4,81.9
3.3VDC on Top Layer "3.3VDC_L01_P021" (solid, pour order 21): 44.9,47.65 44.25,47 44.25,44.35 44.45,44.15 48.65,44.15 50,45.5 50,47.247 55.35,52.6 59.2,52.6 59.2,51.35 59.45,51.35 59.45,54.856 59.019,55 55.5,55 54.5,54 48.15,47.65
GND_S on Top Layer "GND_S_L01_P033" (solid, remove dead copper, pour order 33): 80,32.5 107.5,32.5 108.3,31.7 108.2,31.6 108.2,1.1 107.7,0.6 74.4,0.6 73.5,1.5 73.5,14.2 78.8,19.5 79.3,19.5 79.4,19.6 79.4,26.7 79.7,27 79.7,32.2
GND on Top Layer "Top Layer-GND" (solid, pour order 24): 15.5,13.6 16.5,12.6 20.5,12.6 21,13.1 21,17.5 20,18.5 16.5,18.5 15.75,17.75 15.2,18.3 11.1,18.3 8.3,15.5 8.3,2 9.7,0.6 10.8,0.6 11.2,1 11.2,6.7 11.6,7.1 11.6,9.7
5VDC on Top Layer "5VDC_L01_P010" (solid, pour order 10): 35.5,31.05 35.5,27 36,26.5 40.1,26.5 41,27.4 41,39.5 41.7,40.2 41.7,46.6 41.3,47 39.5,47 38,47 37.8,47.2 37.8,49.2 37.5,49.5 35.5,49.5 34.5,48.5 34.5,42 35.5,41 39,41 39.5,40.5 39.5,39 37,39 37,37.5 37.2,37.3 39.7,37.3 39.7,32.2 38.7,31.2 38.5,31.2 35.65,31.2
NetC1_1 on Top Layer "NETC1_1_L01_P004" (solid, pour order 4): 7.3,81 10.2,81 10.5,80.7 10.5,62.5 19,60 20.9,60 21.3,59.6 21.3,55.9 20.9,55.5 19.7,55.5 19.454,55.5 10.322,58.265 7.562,59.281 7,60.087 7,80.7
NetBR1_1 on Top Layer "NETBR1_1_L01_P001" (solid, pour order 1): 33,65.5 34,66.5 38,66.5 39.4,63.7 39.4,53.25 38.55,52.4 34.3,52.4 33.5,53.2 33.5,54.5 34.5,55 37,55 38,56.5 38,62.5 34,62.5 33,63.5
NetBR1_2 on Top Layer "NETBR1_2_L01_P000" (solid, pour order 0): 23.5,66 23,65.5 23,63.5 23.5,63 27.68,63 33.95,57.5 36.5,57.5 37,58 37,59.5 36.3,60 34.495,60 28.311,66
GND on Bottom Layer "GND_L04_P027" (solid, remove dead copper, pour order 27): 79.4,69.2 78.6,69.2 53.7,69.2 53.7,67.2 42,55.5 12.8,55.5 12.8,55.4 5.7,48.3 5.8,48.2 5.8,40.3 9.4,40.3 18.1,31.6 23.7,31.6 30.8,24.5 30.8,6.7 29.5,5.4 28.5,6.4 8.2,6.4 7.7,5.9 7.7,2 9,0.7 9.1,0.8 68.4,0.8 72.2,4.6 72.2,14.3 72.7,14.3 79.4,21 79.4,69.8
GND_S on Bottom Layer "GND_S_L04_P028" (solid, remove dead copper, pour order 28): 107.5,32.5 108.3,31.7 108.3,1.1 107.8,0.6 74.4,0.6 73.5,1.5 73.5,14.2 78.8,19.5 79.5,19.5 79.5,20.7 79.7,20.9 79.7,31.7 80.5,32.5 81.3,32.5
3.3VDC on POWER (split plane): 79.49,33.7 79.49,33.5 79.49,32 79.499,31.9 79.528,31.805 79.576,31.716 79.639,31.639 80.49,30.789 80.49,23.311 79.639,22.461 79.576,22.384 79.528,22.295 79.499,22.2 79.49,22.1 79.49,20.911 72.739,14.161 72.676,14.084 72.628,13.995 72.599,13.9 72.59,13.8 72.59,0.51 0.51,0.51 0.51,75.8 12.7,75.8 12.7,60.3 46.8,60.3 46.8,75.8 79.49,75.8
12VDC on POWER (split plane): 205 vertices, not listed, extent 11.756,34.956 72.938,75.244
3.3VDC_S on POWER (split plane): 108.49,0.51 73.61,0.51 73.61,13.589 80.361,20.339 80.424,20.416 80.472,20.505 80.501,20.6 80.51,20.7 80.51,21.889 81.361,22.739 81.424,22.816 81.472,22.905 81.501,23 81.51,23.1 81.51,31 81.501,31.1 81.472,31.195 81.424,31.284 81.361,31.361 80.51,32.211 80.51,32.99 108.49,32.99
5VDC on POWER (split plane): 40.317,31.041 40.317,26.559 37.441,23.683 34.5,23.683 34.425,23.675 34.353,23.654 34.287,23.618 34.229,23.571 33.229,22.571 33.182,22.513 33.146,22.447 33.125,22.375 33.117,22.3 33.117,17.2 33.125,17.125 33.146,17.053 33.182,16.987 33.229,16.929 35.429,14.729 35.487,14.682 35.553,14.646 35.625,14.625 35.7,14.617 44.041,14.617 45.717,12.941 45.717,11.159 44.441,9.883 34.359,9.883 29.983,14.259 29.983,21.741 32.859,24.617 36.1,24.617 36.175,24.625 36.247,24.646 36.313,24.682 36.371,24.729 36.471,24.829 36.518,24.887 36.554,24.953 36.575,25.025 36.583,25.1 36.583,31.517 39.841,31.517
GND on GND (split plane): 79.49,33.5 79.499,33.4 79.528,33.305 79.576,33.216 79.59,33.199 79.59,31.9 79.599,31.8 79.628,31.705 79.676,31.616 79.739,31.539 80.39,30.889 80.39,22.311 72.639,14.561 72.576,14.484 72.528,14.395 72.499,14.3 72.49,14.2 72.49,0.51 0.51,0.51 0.51,1.5 7.4,1.5 7.4,26.8 0.51,26.8 0.51,100.99 79.49,100.99
GND_S on GND (split plane): 108.49,0.51 73.51,0.51 73.51,13.989 81.261,21.739 81.324,21.816 81.372,21.905 81.401,22 81.41,22.1 81.41,31.1 81.401,31.2 81.372,31.295 81.324,31.384 81.261,31.461 80.61,32.111 80.61,32.99 108.49,32.99

## Keep-outs
Keep-Out Layer:
  lines w0.5: -0.2,-0.3 -0.2,101.7 -0.1,101.8 80.1,101.8 80.3,101.6 80.3,33.8 80.4,33.7 109,33.7 109.2,33.5 109.2,-0.3 -0.2,-0.3

## Other copper
Top Layer:
  region net 3.3VDC: 68.5,34.35 68.5,31.75 68.65,31.6 77.6,31.6 78,32 78,33.047 77.547,33.505 75.216,33.532 74.839,33.913 74.839,34.55 68.7,34.55
  region net 3.3VDC: 15.5,2.3 15.5,1.5 15.8,1.2 19.2,1.2 19.4,1.4 19.4,2.3 19.2,2.5 15.7,2.5
  region net Wİ-Fİ_OUT: 13,8.5 13,6.3 13.8,5.5 13.8,1.4 14,1.2 15,1.2 15.2,1.4 15.2,5.8 14.1,6.9 14.1,8.5 13.9,8.7 13.2,8.7
  region net 3.3VDC: 11.7,8.6 11.7,2.483 11.5,2 11.5,1 11.6,0.9 12.6,0.9 12.8,1.1 12.8,8.6 12.7,8.7 11.8,8.7
  region net 12VDC: 70,75 72.2,75 73.1,74.1 73.1,71 72.3,70.2 69.8,70.2 69.1,70.9 69.1,71.5 69.1,74.1
  region net NetD2_A: 62.2,74.7 62.2,72.8 62.8,72.2 64,72.2 64.5,71.7 64.5,69.8 64.8,69.5 67,69.5 67.6,70.5 67.6,73 64.051,75 62.5,75
  region net NetQ2_1: 63.5,70.5 64,70.5 64.2,70.7 64.2,71.4 63.9,71.7 62.7,71.7 62.5,71.5 62.5,70.6 62.1,70.2 61,70.2 60.8,70 60.8,68.9 61,68.7 61,67.5 61.3,67.2 62.1,67.2 62.4,67.5 62.4,70 62.9,70.5
  region net NetQ1_1: 57.15,66.5 58,66.5 58.5,67 58.5,67.5 59.75,68.75 60,68.75 60.2,68.95 60.2,69.05 60.2,69.95 60,70.15 57.05,70.15 56.9,70 56.9,66.75
  region net NetD1_A: 52.95,71.7 53.25,72 55,72 56,73 56.5,73.5 56.5,74.25 57.5,75.25 59,75.25 59.5,74.75 59.7,74.55 59.7,72.7 59,72 57,72 56.25,71.25 56.25,69.9 56,69.65 53.7,69.65 52.95,70.4
  region net 12VDC: 49.632,70.75 51.5,70.75 51.9,71.15 51.9,74.75 51.4,75.25 49.672,75.25 49.3,74.58 49.3,73.95 49.3,70.932
  region net 3.3VDC: 60.45,33 63.7,33 64.45,33.75 64.45,35.3 63.9,35.85 60.2,35.85 59.9,35.55 59.9,33.55
  region net 3.3VDC: 78,41 78.5,41.5 78.5,42 78,42.5 72.25,42.5 71.75,42 71.75,41.5 72.25,41
  region net NetC4_1: 35.7,33.247 35.7,31.7 35.8,31.6 36.9,31.6 37,31.7 37,32.8 37.9,33.7 39.1,33.7 39.3,33.9 39.3,34.6 39.1,34.8 37.35,34.8
  region net NetC4_2: 31.7,34.7 31.5,34.5 31.5,32 30,30.5 30,27.8 30.65,27.15 34.7,27.15 35.2,27.65 35.2,31.5 35.3,31.6 35.3,34.2 34.8,34.7
  region net 12VDC: 34.2,35.8 34.2,35.2 34,35 31.2,35 31.2,33.2 30.7,32.7 27.7,32.7 27.2,33.2 27.2,35.7 27.5,36 34,36 27.5,36 34,36
  region net 12VDC: 22,54.5 23,53.5 23,45.5 21.5,44 13.5,44 12,45.5 12,53.5 13.5,54.5
  region net NetBR1_3: 22.5,60 22,59.5 22,58 22.5,57.5 27.5,57.5 28,58 28,59.5 27.5,60
Bottom Layer:
  region net GND_S: 83.01,20 82.74,19.74 82.74,19.13 83.27,18.39 83.84,19.13 83.84,19.74 83.53,20
  region net 3.3VDC_S: 94,19 94.5,18.5 94.5,14.5 94,14 92.6,14 91.7,14.9 91.7,17.9 92.8,19
  region net GND_S: 86,25.9 86.2,26.1 92.6,26.1 92.9,25.8 92.9,23.9 92.1,23.1 91.3,23.1 86.5,23.1 86,23.6
  region net 3.3VDC_S: 86,11 85.5,11.5 85.5,15.1 85.9,15.5 87.2,15.5 87.5,15.2 87.5,13.5 87.2,13.2 87.2,11.2 87,11
  region net 3.3VDC_S: 86.465,6.985 86.165,6.685 86.165,5.785 86.3,5.65 86.3,1.7 86.515,1.485 87.485,1.485 87.7,1.7 87.7,6.8 87.515,6.985
  region net GND_S: 79.2,4.7 79.2,3.8 79.2,1.5 79.7,1 80.8,1 81.9,2.1 81.9,3.367 80.98,4.9 79.4,4.9 79.3,4.8 79.4,4.9 79.3,4.8
  region net 3.3VDC_S: 92.6,28.2 92.9,27.9 92.9,26.3 82.5,26.3 82,26.8 82,27.7 82.5,28.2
  region net 5VDC: 41.65,13.75 40.75,12.85 40.75,11.9 41.65,11 44.45,11 45.4,11.95 45.4,12.75 44.4,13.75
  region net 5VDC: 35.8,30.7 36.1,31 39.9,31 40.3,30.6 40.3,27.1 39.9,26.7 36.4,26.7 35.8,27.3
  text "Layer" at 99.256,276.813 h1.52
  text "Name" at 109.667,276.813 h1.52
  text "Material" at 143.44,276.813 h1.52
  text "Thickness" at 158.676,276.813 h1.52
  text "Constant" at 175.182,276.813 h1.52
  text "Board Layer Stack" at 189.656,276.813 h1.52
  text "Top Overlay" at 109.667,273.765 h1.52
  text "Top Solder" at 109.667,270.717 h1.52
  text "SM-001" at 143.44,270.717 h1.52
  text "1,00mil" at 158.676,270.717 h1.52
  text "4" at 175.182,270.717 h1.52
  text "Top Surface Finish" at 109.667,267.669 h1.52
  text "PbSn" at 143.44,267.669 h1.52
  text "0,79mil" at 158.676,267.669 h1.52
  text "1" at 99.256,264.621 h1.52
  text "Top Layer" at 109.667,264.621 h1.52
  text "CF-004" at 143.44,264.621 h1.52
  text "1,38mil" at 158.676,264.621 h1.52
  text "Dielectric 1" at 109.667,261.573 h1.52
  text "PP-017" at 143.44,261.573 h1.52
  text "5,10mil" at 158.676,261.573 h1.52
  text "4.3" at 175.182,261.573 h1.52
  text "Dielectric 2" at 109.667,258.525 h1.52
  text "PP-017" at 143.44,258.525 h1.52
  text "5,10mil" at 158.676,258.525 h1.52
  text "4.3" at 175.182,258.525 h1.52
  text "2" at 99.256,255.477 h1.52
  text "GND" at 109.667,255.477 h1.52
  text "CF-004" at 143.44,255.477 h1.52
  text "1,38mil" at 158.676,255.477 h1.52
  text "Dielectric 3" at 109.667,252.429 h1.52
  text "Core-039" at 143.44,252.429 h1.52
  text "28,00mil" at 158.676,252.429 h1.52
  text "4.8" at 175.182,252.429 h1.52
  text "3" at 99.256,249.381 h1.52
  text "POWER" at 109.667,249.381 h1.52
  text "CF-004" at 143.44,249.381 h1.52
  text "1,38mil" at 158.676,249.381 h1.52
  text "Dielectric 4" at 109.667,246.333 h1.52
  text "PP-017" at 143.44,246.333 h1.52
  text "5,10mil" at 158.676,246.333 h1.52
  text "4.3" at 175.182,246.333 h1.52
  text "Dielectric 5" at 109.667,243.285 h1.52
  text "PP-017" at 143.44,243.285 h1.52
  text "5,10mil" at 158.676,243.285 h1.52
  text "4.3" at 175.182,243.285 h1.52
  text "4" at 99.256,240.237 h1.52
  text "Bottom Layer" at 109.667,240.237 h1.52
  text "CF-004" at 143.44,240.237 h1.52
  text "1,38mil" at 158.676,240.237 h1.52
  text "Bottom Surface Finish" at 109.667,237.189 h1.52
  text "PbSn" at 143.44,237.189 h1.52
  text "0,79mil" at 158.676,237.189 h1.52
  text "Bottom Solder" at 109.667,234.141 h1.52
  text "SM-001" at 143.44,234.141 h1.52
  text "1,00mil" at 158.676,234.141 h1.52
  text "4" at 175.182,234.141 h1.52
  text "Bottom Overlay" at 109.667,231.093 h1.52
GND (plane layer: these items are gaps in the copper):
  rectangle: 0,1.5 7.4,26.8
  rectangle: 0,1.5 7.4,26.8
  lines w1.016: 73,-0.1 73,14.2 80.9,22.1 80.9,31.1 80.1,31.9 80.1,33.6
POWER (plane layer: these items are gaps in the copper):
  rectangle: 0.2,75.8 80.1,101.4
  rectangle: 12.7,60.3 46.8,101.7
  rectangle: 12.7,60.3 46.8,101.7
  rectangle: 0.2,75.8 80.1,101.4
  lines w0.508: 11.5,45.5 14,43.2 14,40.9 22.8,40.8 26,34.7 29.7,34.7 29.8,40 27.2,42.5 23.5,42.5 23.581,50.148 44.834,50.34 61.181,68.343 69.9,68.3 73.2,73 73.1,74.5 72.4,75.4 70.1,75.4 69.2,74.5 69.2,73 67.1,70.2 54.3,70 52.9,71.1 52.9,74.1 51.6,75.5 49.8,75.5 49.4,75.147 48.8,74.547 48.8,68.2 50.5,66.5 50.5,59.6 44.5,53.6 44.5,53.5 23.5,53.5 22.1,55 13.5,55 11.5,53.6 11.5,45.5
  lines w0.762: 29.6,14.1 29.6,21.9 32.7,25 36.1,25 36.2,25.1 36.2,31.9 40,31.9 40.7,31.2 40.7,26.4 37.6,23.3 34.5,23.3 33.5,22.3 33.5,17.2 35.7,15 44.2,15 46.1,13.1 46.1,11 44.6,9.5 36.7,9.5 34.2,9.5 29.6,14.1
  lines w1.016: 73.1,0 73.1,13.8 80,20.7 80,22.1 81,23.1 81,31 80,32 80,33.7

## Silkscreen, mask and mechanical layers (free items; w line width, h text height)
Top Overlay:
  text "AC" at 5.2,99.6 h1
  text "PROG." at 79.1,70.2 h1 r90
  text "12V" at 11.6,55.1 h1
  text "MAIN" at 81.9,30.1 h1
  text "SENSOR" at 74.3,23.1 h1 r90
  text "5V" at 47.4,14.4 h1
  text "Wi-Fi_sec._det._v01" at 107.283,1.75 h1 r90
Bottom Overlay:
  circle w0.1: c94.6,30.7 r1.14
  text "TP_GND" at 92.7,32.133 h0.8
Top Solder:
  drawing of 3301 lines, arcs and shapes, not listed
Bottom Solder:
  region: 82.62,19.4 82.62,19.1 83.3,18.46 83.92,19.1 83.95,19.18 83.95,19.4
  region: 94.6,31.7 93.6,30.7 94.6,29.7 95.6,30.7
Drill Guide:
  lines w0.2: 0,0 0,101.5 80,101.5 80,33.5 109,33.5 109,24.625 109,8.875 109,0 108.5,0 0,0
Drill Drawing:
  drawing of 159 lines, arcs and shapes, not listed
  text "Symbol" at 94.577,105.535 h1.83
  text "Count" at 107.426,105.535 h1.83
  text "Hole Size" at 122.408,105.535 h1.83
  text "Plated" at 150.848,105.535 h1.83
  text "Hole Type" at 163.697,105.535 h1.83
  text "Drill Layer Pair" at 182.335,105.535 h1.83
  text "Via/Pad" at 220.424,105.535 h1.83
  text "Pad Shape" at 235.406,105.535 h1.83
  text "Template" at 254.349,105.535 h1.83
  text "Description" at 289.645,105.535 h1.83
  text "Hole Tolerance (+)" at 311.33,105.535 h1.83
  text "Hole Tolerance (-)" at 345.204,105.535 h1.83
  text "Hole Length" at 379.078,105.535 h1.83
  text "Routed Path Length" at 408.025,105.535 h1.83
  text "2" at 107.426,101.725 h1.52
  text "31,50mil (0,800mm)" at 122.408,101.725 h1.52
  text "PTH" at 150.848,101.725 h1.52
  text "Round" at 163.697,101.725 h1.52
  text "Top Layer - Bottom Layer" at 182.335,101.725 h1.52
  text "Pad" at 220.424,101.725 h1.52
  text "Rounded" at 235.406,101.725 h1.52
  text "c200h80m205_503323056" at 254.349,101.725 h1.52
  text "-" at 379.078,101.725 h1.52
  text "-" at 408.025,101.725 h1.52
  text "2" at 107.426,97.915 h1.52
  text "35,43mil (0,900mm)" at 122.408,97.915 h1.52
  text "PTH" at 150.848,97.915 h1.52
  text "Round" at 163.697,97.915 h1.52
  text "Top Layer - Bottom Layer" at 182.335,97.915 h1.52
  text "Pad" at 220.424,97.915 h1.52
  text "Rounded" at 235.406,97.915 h1.52
  text "c0h90m5_503323056" at 254.349,97.915 h1.52
  text "-" at 379.078,97.915 h1.52
  text "-" at 408.025,97.915 h1.52
  text "2" at 107.426,94.105 h1.52
  text "39,37mil (1,000mm)" at 122.408,94.105 h1.52
  text "PTH" at 150.848,94.105 h1.52
  text "Slot" at 163.697,94.105 h1.52
  text "Top Layer - Bottom Layer" at 182.335,94.105 h1.52
  text "Pad" at 220.424,94.105 h1.52
  text "Rounded" at 235.406,94.105 h1.52
  text "r400_200h100_300r100" at 254.349,94.105 h1.52
  text "118,11mil (3,000mm)" at 379.078,94.105 h1.52
  text "78,74mil (2,000mm)" at 408.025,94.105 h1.52
  text "2" at 107.426,90.295 h1.52
  text "43,31mil (1,100mm)" at 122.408,90.295 h1.52
  text "PTH" at 150.848,90.295 h1.52
  text "Round" at 163.697,90.295 h1.52
  text "Top Layer - Bottom Layer" at 182.335,90.295 h1.52
  text "Pad" at 220.424,90.295 h1.52
  text "Rounded" at 235.406,90.295 h1.52
  text "c200h110m205_503323056" at 254.349,90.295 h1.52
  text "-" at 379.078,90.295 h1.52
  text "-" at 408.025,90.295 h1.52
  text "2" at 107.426,86.485 h1.52
  text "47,24mil (1,200mm)" at 122.408,86.485 h1.52
  text "PTH" at 150.848,86.485 h1.52
  text "Slot" at 163.697,86.485 h1.52
  text "Top Layer - Bottom Layer" at 182.335,86.485 h1.52
  text "Pad" at 220.424,86.485 h1.52
  text "Rounded" at 235.406,86.485 h1.52
  text "r360_180h120_150r100" at 254.349,86.485 h1.52
  text "59,06mil (1,500mm)" at 379.078,86.485 h1.52
  text "11,81mil (0,300mm)" at 408.025,86.485 h1.52
  text "2" at 107.426,82.675 h1.52
  text "47,24mil (1,200mm)" at 122.408,82.675 h1.52
  text "PTH" at 150.848,82.675 h1.52
  text "Slot" at 163.697,82.675 h1.52
  text "Top Layer - Bottom Layer" at 182.335,82.675 h1.52
  text "Pad" at 220.424,82.675 h1.52
  text "Rounded" at 235.406,82.675 h1.52
  text "r400_200h120_300r100" at 254.349,82.675 h1.52
  text "118,11mil (3,000mm)" at 379.078,82.675 h1.52
  text "70,87mil (1,800mm)" at 408.025,82.675 h1.52
  text "2" at 107.426,78.865 h1.52
  text "82,68mil (2,100mm)" at 122.408,78.865 h1.52
  text "NPTH" at 150.848,78.865 h1.52
  text "Round" at 163.697,78.865 h1.52
  text "Top Layer - Bottom Layer" at 182.335,78.865 h1.52
  text "Pad" at 220.424,78.865 h1.52
  text "Rounded" at 235.406,78.865 h1.52
  text "c210hn210" at 254.349,78.865 h1.52
  text "-" at 379.078,78.865 h1.52
  text "-" at 408.025,78.865 h1.52
  text "3" at 107.426,75.055 h1.52
  text "19,69mil (0,500mm)" at 122.408,75.055 h1.52
  text "PTH" at 150.848,75.055 h1.52
  text "Round" at 163.697,75.055 h1.52
  text "Top Layer - Bottom Layer" at 182.335,75.055 h1.52
  text "Pad" at 220.424,75.055 h1.52
  text "Rounded" at 235.406,75.055 h1.52
  text "c100h50m105_503323056" at 254.349,75.055 h1.52
  text "-" at 379.078,75.055 h1.52
  text "-" at 408.025,75.055 h1.52
  text "6" at 107.426,71.245 h1.52
  text "68,90mil (1,750mm)" at 122.408,71.245 h1.52
  text "PTH" at 150.848,71.245 h1.52
  text "Round" at 163.697,71.245 h1.52
  text "Top Layer - Bottom Layer" at 182.335,71.245 h1.52
  text "Pad" at 220.424,71.245 h1.52
  text "Rounded" at 235.406,71.245 h1.52
  text "c300h175m305" at 254.349,71.245 h1.52
  text "-" at 379.078,71.245 h1.52
  text "-" at 408.025,71.245 h1.52
  text "10" at 107.426,67.435 h1.52
  text "39,37mil (1,000mm)" at 122.408,67.435 h1.52
  text "PTH" at 150.848,67.435 h1.52
  text "Round" at 163.697,67.435 h1.52
  text "Top Layer - Bottom Layer" at 182.335,67.435 h1.52
  text "Pad" at 220.424,67.435 h1.52
  text "Rounded" at 235.406,67.435 h1.52
  text "(Mixed)" at 254.349,67.435 h1.52
  text "-" at 379.078,67.435 h1.52
  text "-" at 408.025,67.435 h1.52
  text "10" at 107.426,63.625 h1.52
  text "51,18mil (1,300mm)" at 122.408,63.625 h1.52
  text "PTH" at 150.848,63.625 h1.52
  text "Round" at 163.697,63.625 h1.52
  text "Top Layer - Bottom Layer" at 182.335,63.625 h1.52
  text "Pad" at 220.424,63.625 h1.52
  text "Rounded" at 235.406,63.625 h1.52
  text "c210h130m215_503323056" at 254.349,63.625 h1.52
  text "-" at 379.078,63.625 h1.52
  text "-" at 408.025,63.625 h1.52
  text "12" at 107.426,59.815 h1.52
  text "34,25mil (0,870mm)" at 122.408,59.815 h1.52
  text "PTH" at 150.848,59.815 h1.52
  text "Round" at 163.697,59.815 h1.52
  text "Top Layer - Bottom Layer" at 182.335,59.815 h1.52
  text "Pad" at 220.424,59.815 h1.52
  text "Rounded" at 235.406,59.815 h1.52
  text "c120h87m125" at 254.349,59.815 h1.52
  text "-" at 379.078,59.815 h1.52
  text "-" at 408.025,59.815 h1.52
  text "40" at 107.426,56.005 h1.52
  text "11,81mil (0,300mm)" at 122.408,56.005 h1.52
  text "PTH" at 150.848,56.005 h1.52
  text "Round" at 163.697,56.005 h1.52
  text "Top Layer - Bottom Layer" at 182.335,56.005 h1.52
  text "Via" at 220.424,56.005 h1.52
  text "Rounded" at 235.406,56.005 h1.52
  text "(Mixed)" at 254.349,56.005 h1.52
  text "-" at 379.078,56.005 h1.52
  text "-" at 408.025,56.005 h1.52
  text "92" at 107.426,52.195 h1.52
  text "13,78mil (0,350mm)" at 122.408,52.195 h1.52
  text "PTH" at 150.848,52.195 h1.52
  text "Round" at 163.697,52.195 h1.52
  text "Top Layer - Bottom Layer" at 182.335,52.195 h1.52
  text "Via" at 220.424,52.195 h1.52
  text "Rounded" at 235.406,52.195 h1.52
  text "v60h35m0" at 254.349,52.195 h1.52
  text "-" at 379.078,52.195 h1.52
  text "-" at 408.025,52.195 h1.52
  text "187 Total" at 107.426,48.385 h1.52
  text "Slot definitions :" at 94.577,44.703 h1.52
  text "Routed Path Length" at 120.807,44.703 h1.52
  text "= Calculated from tool start centre position to tool end centre position." at 148.815,44.703 h1.52
  text "Hole Length" at 120.807,42.163 h1.52
  text "= Routed Path Length + Tool Size = Slot length as defined in the PCB layout" at 138.404,42.163 h1.52

## Text inside footprints (layer, text, board x,y; h text height)
BR1: Top Overlay "~" at 34.733,58.4 h1 r90; Top Overlay "~" at 34.733,53.3 h1 r90
J6: Top Overlay "1" at 78.65,34.15 h0.8
J8: Top Overlay "1" at 85.95,26.65 h0.8
S1: Top Overlay "G" at 101.6,29.7 h1; Top Overlay "S" at 105.2,27.4 h1; Top Overlay "D" at 103.4,25 h1
T1: Top Overlay "OUTPUT" at 40.1,59.4 h1; Top Overlay "OUTPUT" at 21.3,89.9 h1 r180